# Altium PCB PCB3.PcbDoc (part 2 of 9)
Units mm, origin at the board's own origin, x right, y up, seen from the top; angles counter-clockwise.
Board outline 233.8 x 110.5 mm, 4 copper layers (Top Layer, Layer 1, Layer 2, Bottom Layer), stack 0.603 mm thick; 1414 components, 1732 nets, 4924 pads, 691 vias.
Unrouted connection lines stored in the file: 2464.
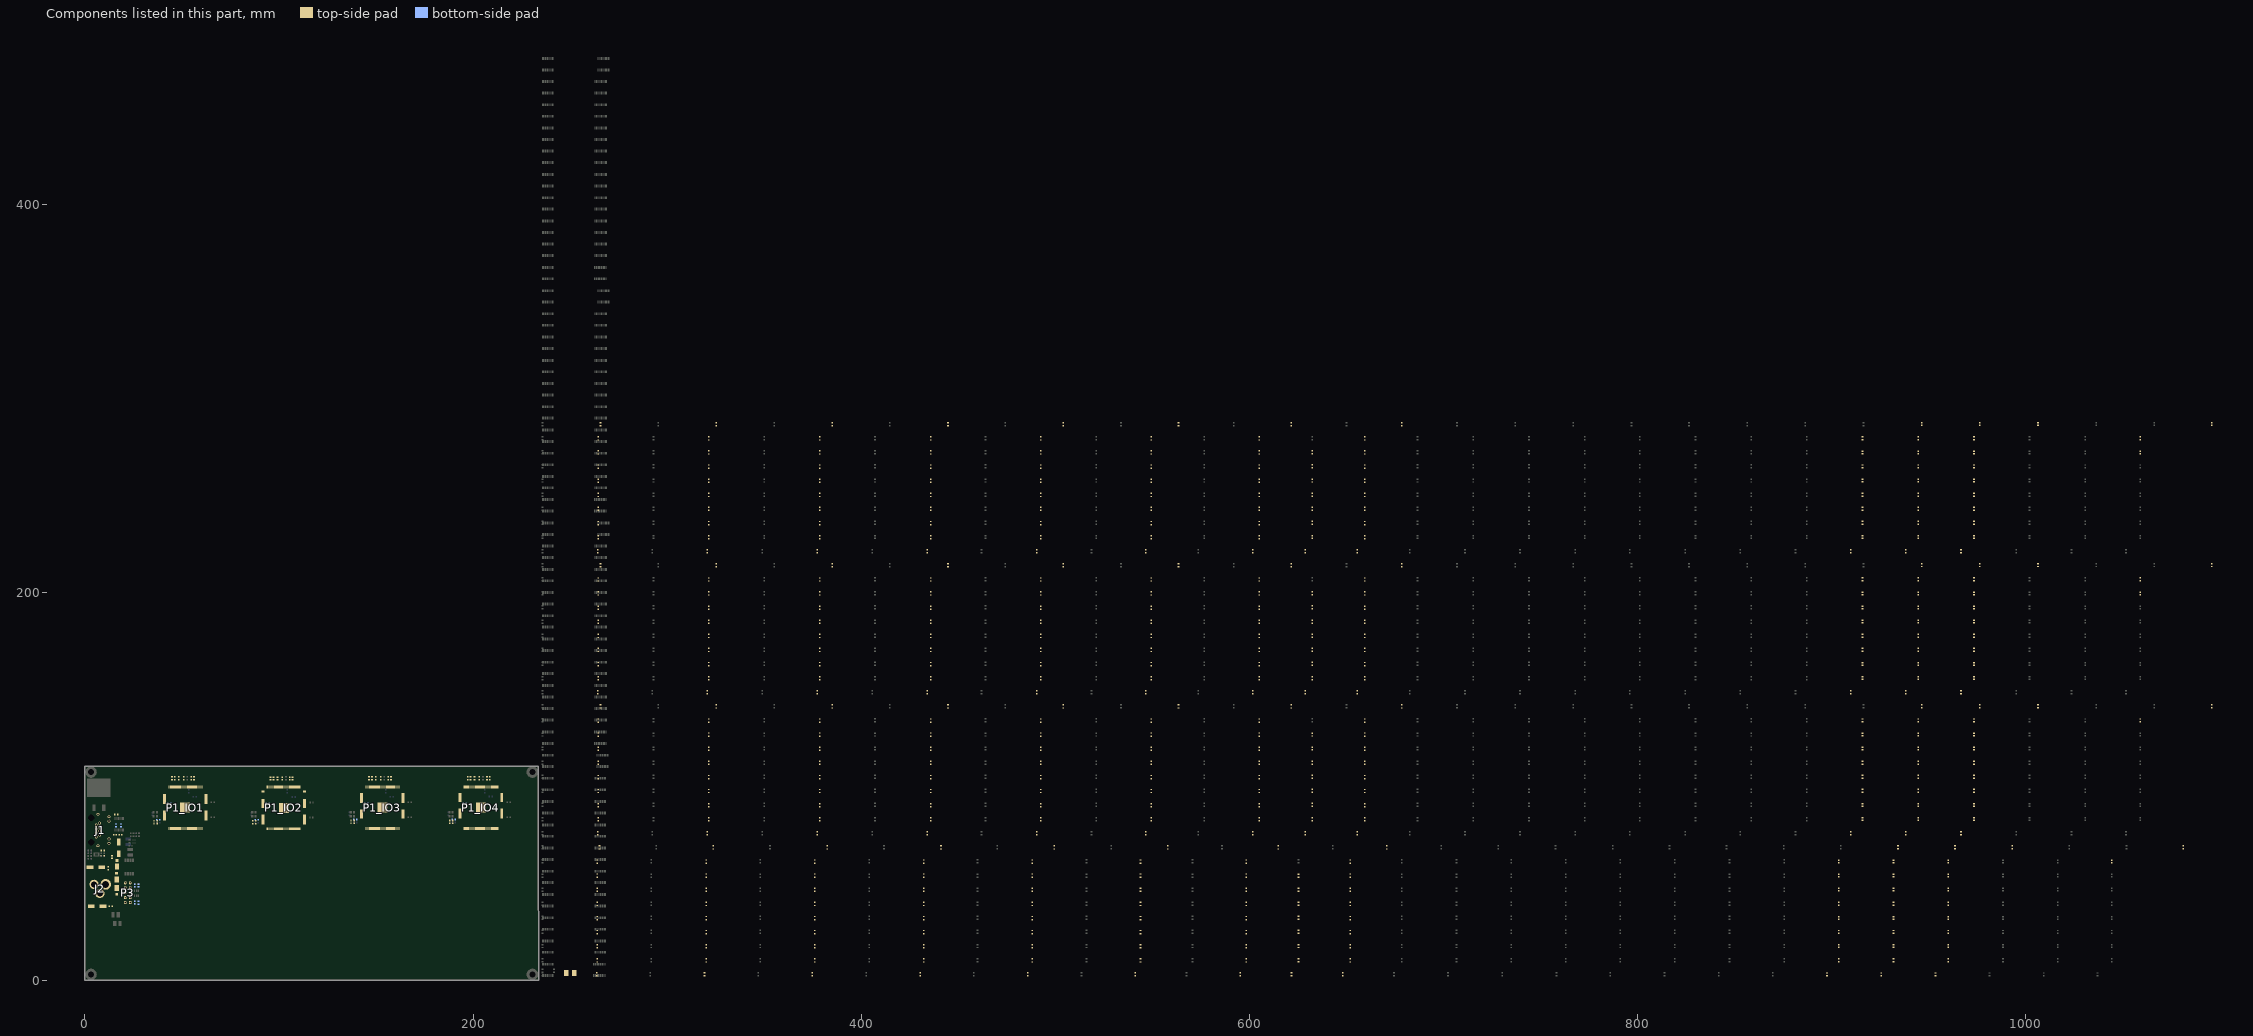
[diagram p4: the components of this part, seen from the top]

## Components (designator, comment, footprint, x,y, rotation, side; value= is the part's Value field where it differs from the comment) (continued)
C32_U_LED_BUFFER83 "0.1uF/16V" 0603C 1059.298,199.449 r90 top (schematic designator C32)
C32_U_LED_BUFFER84 "0.1uF/16V" 0603C 1059.298,272.149 r90 top (schematic designator C32)
C32_U_LED_BUFFER91 "0.1uF/16V" 0603C 1044.598,61.35 r90 top (schematic designator C32)
C32_U_LED_BUFFER92 "0.1uF/16V" 0603C 1059.298,134.049 r90 top (schematic designator C32)
C32_U_LED_BUFFER93 "0.1uF/16V" 0603C 1059.298,206.749 r90 top (schematic designator C32)
C32_U_LED_BUFFER94 "0.1uF/16V" 0603C 1059.298,279.449 r90 top (schematic designator C32)
C32_U_LED_BUFFER101 "0.1uF/16V" 0603C 1081.398,68.65 r90 top (schematic designator C32)
C32_U_LED_BUFFER102 "0.1uF/16V" 0603C 1096.098,141.349 r90 top (schematic designator C32)
C32_U_LED_BUFFER103 "0.1uF/16V" 0603C 1096.098,214.049 r90 top (schematic designator C32)
C32_U_LED_BUFFER104 "0.1uF/16V" 0603C 1096.098,286.749 r90 top (schematic designator C32)
C33_U_LED_BUFFER11 "1uF/16V" 0603C 925.698,3.15 r90 top (schematic designator C33)
C33_U_LED_BUFFER12 "1uF/16V" 0603C 938.398,75.85 r90 top (schematic designator C33)
C33_U_LED_BUFFER13 "1uF/16V" 0603C 938.398,148.549 r90 top (schematic designator C33)
C33_U_LED_BUFFER14 "1uF/16V" 0603C 938.398,221.249 r90 top (schematic designator C33)
C33_U_LED_BUFFER21 "1uF/16V" 0603C 932.098,10.45 r90 top (schematic designator C33)
C33_U_LED_BUFFER22 "1uF/16V" 0603C 944.798,83.15 r90 top (schematic designator C33)
C33_U_LED_BUFFER23 "1uF/16V" 0603C 944.798,155.849 r90 top (schematic designator C33)
C33_U_LED_BUFFER24 "1uF/16V" 0603C 944.798,228.549 r90 top (schematic designator C33)
C33_U_LED_BUFFER31 "1uF/16V" 0603C 932.098,17.75 r90 top (schematic designator C33)
C33_U_LED_BUFFER32 "1uF/16V" 0603C 944.798,90.45 r90 top (schematic designator C33)
C33_U_LED_BUFFER33 "1uF/16V" 0603C 944.798,163.149 r90 top (schematic designator C33)
C33_U_LED_BUFFER34 "1uF/16V" 0603C 944.798,235.849 r90 top (schematic designator C33)
C33_U_LED_BUFFER41 "1uF/16V" 0603C 932.098,25.05 r90 top (schematic designator C33)
C33_U_LED_BUFFER42 "1uF/16V" 0603C 944.798,97.75 r90 top (schematic designator C33)
C33_U_LED_BUFFER43 "1uF/16V" 0603C 944.798,170.449 r90 top (schematic designator C33)
C33_U_LED_BUFFER44 "1uF/16V" 0603C 944.798,243.149 r90 top (schematic designator C33)
C33_U_LED_BUFFER51 "1uF/16V" 0603C 932.098,32.25 r90 top (schematic designator C33)
C33_U_LED_BUFFER52 "1uF/16V" 0603C 944.798,104.95 r90 top (schematic designator C33)
C33_U_LED_BUFFER53 "1uF/16V" 0603C 944.798,177.649 r90 top (schematic designator C33)
C33_U_LED_BUFFER54 "1uF/16V" 0603C 944.798,250.349 r90 top (schematic designator C33)
C33_U_LED_BUFFER61 "1uF/16V" 0603C 932.098,39.55 r90 top (schematic designator C33)
C33_U_LED_BUFFER62 "1uF/16V" 0603C 944.798,112.25 r90 top (schematic designator C33)
C33_U_LED_BUFFER63 "1uF/16V" 0603C 944.798,184.949 r90 top (schematic designator C33)
C33_U_LED_BUFFER64 "1uF/16V" 0603C 944.798,257.649 r90 top (schematic designator C33)
C33_U_LED_BUFFER71 "1uF/16V" 0603C 932.098,46.85 r90 top (schematic designator C33)
C33_U_LED_BUFFER72 "1uF/16V" 0603C 944.798,119.549 r90 top (schematic designator C33)
C33_U_LED_BUFFER73 "1uF/16V" 0603C 944.798,192.249 r90 top (schematic designator C33)
C33_U_LED_BUFFER74 "1uF/16V" 0603C 944.798,264.949 r90 top (schematic designator C33)
C33_U_LED_BUFFER81 "1uF/16V" 0603C 932.098,54.05 r90 top (schematic designator C33)
C33_U_LED_BUFFER82 "1uF/16V" 0603C 944.798,126.749 r90 top (schematic designator C33)
C33_U_LED_BUFFER83 "1uF/16V" 0603C 944.798,199.449 r90 top (schematic designator C33)
C33_U_LED_BUFFER84 "1uF/16V" 0603C 944.798,272.149 r90 top (schematic designator C33)
C33_U_LED_BUFFER91 "1uF/16V" 0603C 932.098,61.35 r90 top (schematic designator C33)
C33_U_LED_BUFFER92 "1uF/16V" 0603C 944.798,134.049 r90 top (schematic designator C33)
C33_U_LED_BUFFER93 "1uF/16V" 0603C 944.798,206.749 r90 top (schematic designator C33)
C33_U_LED_BUFFER94 "1uF/16V" 0603C 944.798,279.449 r90 top (schematic designator C33)
C33_U_LED_BUFFER101 "1uF/16V" 0603C 963.798,68.65 r90 top (schematic designator C33)
C33_U_LED_BUFFER102 "1uF/16V" 0603C 976.498,141.349 r90 top (schematic designator C33)
C33_U_LED_BUFFER103 "1uF/16V" 0603C 976.498,214.049 r90 top (schematic designator C33)
C33_U_LED_BUFFER104 "1uF/16V" 0603C 976.498,286.749 r90 top (schematic designator C33)
C34_U_LED_BUFFER11 "1uF/16V" 0603C 953.698,3.15 r90 top (schematic designator C34)
C34_U_LED_BUFFER12 "1uF/16V" 0603C 966.898,75.85 r90 top (schematic designator C34)
C34_U_LED_BUFFER13 "1uF/16V" 0603C 966.898,148.549 r90 top (schematic designator C34)
C34_U_LED_BUFFER14 "1uF/16V" 0603C 966.898,221.249 r90 top (schematic designator C34)
C34_U_LED_BUFFER21 "1uF/16V" 0603C 960.298,10.45 r90 top (schematic designator C34)
C34_U_LED_BUFFER22 "1uF/16V" 0603C 973.498,83.15 r90 top (schematic designator C34)
C34_U_LED_BUFFER23 "1uF/16V" 0603C 973.498,155.849 r90 top (schematic designator C34)
C34_U_LED_BUFFER24 "1uF/16V" 0603C 973.498,228.549 r90 top (schematic designator C34)
C34_U_LED_BUFFER31 "1uF/16V" 0603C 960.298,17.75 r90 top (schematic designator C34)
C34_U_LED_BUFFER32 "1uF/16V" 0603C 973.498,90.45 r90 top (schematic designator C34)
C34_U_LED_BUFFER33 "1uF/16V" 0603C 973.498,163.149 r90 top (schematic designator C34)
C34_U_LED_BUFFER34 "1uF/16V" 0603C 973.498,235.849 r90 top (schematic designator C34)
C34_U_LED_BUFFER41 "1uF/16V" 0603C 960.298,25.05 r90 top (schematic designator C34)
C34_U_LED_BUFFER42 "1uF/16V" 0603C 973.498,97.75 r90 top (schematic designator C34)
C34_U_LED_BUFFER43 "1uF/16V" 0603C 973.498,170.449 r90 top (schematic designator C34)
C34_U_LED_BUFFER44 "1uF/16V" 0603C 973.498,243.149 r90 top (schematic designator C34)
C34_U_LED_BUFFER51 "1uF/16V" 0603C 960.298,32.25 r90 top (schematic designator C34)
C34_U_LED_BUFFER52 "1uF/16V" 0603C 973.498,104.95 r90 top (schematic designator C34)
C34_U_LED_BUFFER53 "1uF/16V" 0603C 973.498,177.649 r90 top (schematic designator C34)
C34_U_LED_BUFFER54 "1uF/16V" 0603C 973.498,250.349 r90 top (schematic designator C34)
C34_U_LED_BUFFER61 "1uF/16V" 0603C 960.298,39.55 r90 top (schematic designator C34)
C34_U_LED_BUFFER62 "1uF/16V" 0603C 973.498,112.25 r90 top (schematic designator C34)
C34_U_LED_BUFFER63 "1uF/16V" 0603C 973.498,184.949 r90 top (schematic designator C34)
C34_U_LED_BUFFER64 "1uF/16V" 0603C 973.498,257.649 r90 top (schematic designator C34)
C34_U_LED_BUFFER71 "1uF/16V" 0603C 960.298,46.85 r90 top (schematic designator C34)
C34_U_LED_BUFFER72 "1uF/16V" 0603C 973.498,119.549 r90 top (schematic designator C34)
C34_U_LED_BUFFER73 "1uF/16V" 0603C 973.498,192.249 r90 top (schematic designator C34)
C34_U_LED_BUFFER74 "1uF/16V" 0603C 973.498,264.949 r90 top (schematic designator C34)
C34_U_LED_BUFFER81 "1uF/16V" 0603C 960.298,54.05 r90 top (schematic designator C34)
C34_U_LED_BUFFER82 "1uF/16V" 0603C 973.498,126.749 r90 top (schematic designator C34)
C34_U_LED_BUFFER83 "1uF/16V" 0603C 973.498,199.449 r90 top (schematic designator C34)
C34_U_LED_BUFFER84 "1uF/16V" 0603C 973.498,272.149 r90 top (schematic designator C34)
C34_U_LED_BUFFER91 "1uF/16V" 0603C 960.298,61.35 r90 top (schematic designator C34)
C34_U_LED_BUFFER92 "1uF/16V" 0603C 973.498,134.049 r90 top (schematic designator C34)
C34_U_LED_BUFFER93 "1uF/16V" 0603C 973.498,206.749 r90 top (schematic designator C34)
C34_U_LED_BUFFER94 "1uF/16V" 0603C 973.498,279.449 r90 top (schematic designator C34)
C34_U_LED_BUFFER101 "1uF/16V" 0603C 993.298,68.65 r90 top (schematic designator C34)
C34_U_LED_BUFFER102 "1uF/16V" 0603C 1006.498,141.349 r90 top (schematic designator C34)
C34_U_LED_BUFFER103 "1uF/16V" 0603C 1006.498,214.049 r90 top (schematic designator C34)
C34_U_LED_BUFFER104 "1uF/16V" 0603C 1006.498,286.749 r90 top (schematic designator C34)
C35_U_LED_BUFFER11 "1uF/16V" 0603C 897.798,3.15 r90 top (schematic designator C35)
C35_U_LED_BUFFER12 "1uF/16V" 0603C 909.998,75.85 r90 top (schematic designator C35)
C35_U_LED_BUFFER13 "1uF/16V" 0603C 909.998,148.549 r90 top (schematic designator C35)
C35_U_LED_BUFFER14 "1uF/16V" 0603C 909.998,221.249 r90 top (schematic designator C35)
C35_U_LED_BUFFER21 "1uF/16V" 0603C 903.898,10.45 r90 top (schematic designator C35)
C35_U_LED_BUFFER22 "1uF/16V" 0603C 916.098,83.15 r90 top (schematic designator C35)
C35_U_LED_BUFFER23 "1uF/16V" 0603C 916.098,155.849 r90 top (schematic designator C35)
C35_U_LED_BUFFER24 "1uF/16V" 0603C 916.098,228.549 r90 top (schematic designator C35)
C35_U_LED_BUFFER31 "1uF/16V" 0603C 903.898,17.75 r90 top (schematic designator C35)
C35_U_LED_BUFFER32 "1uF/16V" 0603C 916.098,90.45 r90 top (schematic designator C35)
C35_U_LED_BUFFER33 "1uF/16V" 0603C 916.098,163.149 r90 top (schematic designator C35)
C35_U_LED_BUFFER34 "1uF/16V" 0603C 916.098,235.849 r90 top (schematic designator C35)
C35_U_LED_BUFFER41 "1uF/16V" 0603C 903.898,25.05 r90 top (schematic designator C35)
C35_U_LED_BUFFER42 "1uF/16V" 0603C 916.098,97.75 r90 top (schematic designator C35)
C35_U_LED_BUFFER43 "1uF/16V" 0603C 916.098,170.449 r90 top (schematic designator C35)
C35_U_LED_BUFFER44 "1uF/16V" 0603C 916.098,243.149 r90 top (schematic designator C35)
C35_U_LED_BUFFER51 "1uF/16V" 0603C 903.898,32.25 r90 top (schematic designator C35)
C35_U_LED_BUFFER52 "1uF/16V" 0603C 916.098,104.95 r90 top (schematic designator C35)
C35_U_LED_BUFFER53 "1uF/16V" 0603C 916.098,177.649 r90 top (schematic designator C35)
C35_U_LED_BUFFER54 "1uF/16V" 0603C 916.098,250.349 r90 top (schematic designator C35)
C35_U_LED_BUFFER61 "1uF/16V" 0603C 903.898,39.55 r90 top (schematic designator C35)
C35_U_LED_BUFFER62 "1uF/16V" 0603C 916.098,112.25 r90 top (schematic designator C35)
C35_U_LED_BUFFER63 "1uF/16V" 0603C 916.098,184.949 r90 top (schematic designator C35)
C35_U_LED_BUFFER64 "1uF/16V" 0603C 916.098,257.649 r90 top (schematic designator C35)
C35_U_LED_BUFFER71 "1uF/16V" 0603C 903.898,46.85 r90 top (schematic designator C35)
C35_U_LED_BUFFER72 "1uF/16V" 0603C 916.098,119.549 r90 top (schematic designator C35)
C35_U_LED_BUFFER73 "1uF/16V" 0603C 916.098,192.249 r90 top (schematic designator C35)
C35_U_LED_BUFFER74 "1uF/16V" 0603C 916.098,264.949 r90 top (schematic designator C35)
C35_U_LED_BUFFER81 "1uF/16V" 0603C 903.898,54.05 r90 top (schematic designator C35)
C35_U_LED_BUFFER82 "1uF/16V" 0603C 916.098,126.749 r90 top (schematic designator C35)
C35_U_LED_BUFFER83 "1uF/16V" 0603C 916.098,199.449 r90 top (schematic designator C35)
C35_U_LED_BUFFER84 "1uF/16V" 0603C 916.098,272.149 r90 top (schematic designator C35)
C35_U_LED_BUFFER91 "1uF/16V" 0603C 903.898,61.35 r90 top (schematic designator C35)
C35_U_LED_BUFFER92 "1uF/16V" 0603C 916.098,134.049 r90 top (schematic designator C35)
C35_U_LED_BUFFER93 "1uF/16V" 0603C 916.098,206.749 r90 top (schematic designator C35)
C35_U_LED_BUFFER94 "1uF/16V" 0603C 916.098,279.449 r90 top (schematic designator C35)
C35_U_LED_BUFFER101 "1uF/16V" 0603C 934.398,68.65 r90 top (schematic designator C35)
C35_U_LED_BUFFER102 "1uF/16V" 0603C 946.598,141.349 r90 top (schematic designator C35)
C35_U_LED_BUFFER103 "1uF/16V" 0603C 946.598,214.049 r90 top (schematic designator C35)
C35_U_LED_BUFFER104 "1uF/16V" 0603C 946.598,286.749 r90 top (schematic designator C35)
C36 "10pF/50V" 0603C 27.611,48.985 r270 bottom
C37 "10pF/50V" 0603C 27.637,40.098 r90 bottom
C38 "10pF/50V" 0603C 25.615,48.931 r270 bottom
C39 "10pF/50V" 0603C 25.612,40.16 r90 bottom
C40 "0.1uF/50V" 0603C 15.556,75.104 r180 top
C41 "0.1uF/50V" 0603C 16.034,79.94 r270 bottom
C42 "0.1uF/50V" 0603C 16.092,85.487 r180 top
C43 "0.1uF/50V" 0603C 18.276,75.058 r180 top
C44 "0.1uF/50V" 0603C 18.635,79.94 r270 bottom
C73 "10uF/63V" EEE-FN1J100L 6.324,38.355 r180 top
C74 "2.2uF/50V" 0603C 13.297,38.243 r180 top
C75 "2.2uF/50V" 0603C 12.016,57.832 r90 top
C76 "10uF/63V" EEE-FN1J100L 5.59,58.467 r180 top
C77 "2.2uF/50V" 0603C 9.185,66.978 r180 top
C78 "2.2uF/50V" 0603C 13.999,63.631 r270 top
C79 "10uF/63V" EEE-FN1J100L 17.461,68.353 r90 top
D1_IO1 "LEDR" LED_0603 36.392,82.414 r180 top value=RED (schematic designator D1)
D1_IO2 "LEDR" LED_0603 87.22,82.348 r180 top value=RED (schematic designator D1)
D1_IO3 "LEDR" LED_0603 137.941,82.436 r180 top value=RED (schematic designator D1)
D1_IO4 "LEDR" LED_0603 188.817,82.439 r180 top value=RED (schematic designator D1)
D2_IO1 "LEDR" LED_0603 36.392,80.908 r180 top value=RED (schematic designator D2)
D2_IO2 "LEDR" LED_0603 87.22,80.842 r180 top value=RED (schematic designator D2)
D2_IO3 "LEDR" LED_0603 137.941,80.929 r180 top value=RED (schematic designator D2)
D2_IO4 "LEDR" LED_0603 188.817,80.933 r180 top value=RED (schematic designator D2)
D3 "LEDR" LED_0603 9.118,64.205 r180 top value=RED
D4 "V8PAM10S-M3_H" V8PAM10SHM3H 16.494,59.734 r90 top
D5 "V8PAM10S-M3_H" V8PAM10SHM3H 16.377,53.135 r90 top
D6 "V8PAM10S-M3_H" V8PAM10SHM3H 16.39,46.541 r270 top
D7_U_LED_BUFFER11 "LEDG" LED_0603 648.198,3.15 r90 top value=GREEN (schematic designator D7)
D7_U_LED_BUFFER12 "LEDG" LED_0603 655.798,75.85 r90 top value=GREEN (schematic designator D7)
D7_U_LED_BUFFER13 "LEDG" LED_0603 655.798,148.549 r90 top value=GREEN (schematic designator D7)
D7_U_LED_BUFFER14 "LEDG" LED_0603 655.798,221.249 r90 top value=GREEN (schematic designator D7)
D7_U_LED_BUFFER21 "LEDG" LED_0603 651.998,10.35 r90 top value=GREEN (schematic designator D7)
D7_U_LED_BUFFER22 "LEDG" LED_0603 659.598,83.05 r90 top value=GREEN (schematic designator D7)
D7_U_LED_BUFFER23 "LEDG" LED_0603 659.598,155.749 r90 top value=GREEN (schematic designator D7)
D7_U_LED_BUFFER24 "LEDG" LED_0603 659.598,228.449 r90 top value=GREEN (schematic designator D7)
D7_U_LED_BUFFER31 "LEDG" LED_0603 651.998,17.65 r90 top value=GREEN (schematic designator D7)
D7_U_LED_BUFFER32 "LEDG" LED_0603 659.598,90.35 r90 top value=GREEN (schematic designator D7)
D7_U_LED_BUFFER33 "LEDG" LED_0603 659.598,163.049 r90 top value=GREEN (schematic designator D7)
D7_U_LED_BUFFER34 "LEDG" LED_0603 659.598,235.749 r90 top value=GREEN (schematic designator D7)
D7_U_LED_BUFFER41 "LEDG" LED_0603 651.998,24.95 r90 top value=GREEN (schematic designator D7)
D7_U_LED_BUFFER42 "LEDG" LED_0603 659.598,97.65 r90 top value=GREEN (schematic designator D7)
D7_U_LED_BUFFER43 "LEDG" LED_0603 659.598,170.349 r90 top value=GREEN (schematic designator D7)
D7_U_LED_BUFFER44 "LEDG" LED_0603 659.598,243.049 r90 top value=GREEN (schematic designator D7)
D7_U_LED_BUFFER51 "LEDG" LED_0603 651.998,32.15 r90 top value=GREEN (schematic designator D7)
D7_U_LED_BUFFER52 "LEDG" LED_0603 659.598,104.85 r90 top value=GREEN (schematic designator D7)
D7_U_LED_BUFFER53 "LEDG" LED_0603 659.598,177.549 r90 top value=GREEN (schematic designator D7)
D7_U_LED_BUFFER54 "LEDG" LED_0603 659.598,250.249 r90 top value=GREEN (schematic designator D7)
D7_U_LED_BUFFER61 "LEDG" LED_0603 651.998,39.45 r90 top value=GREEN (schematic designator D7)
D7_U_LED_BUFFER62 "LEDG" LED_0603 659.598,112.15 r90 top value=GREEN (schematic designator D7)
D7_U_LED_BUFFER63 "LEDG" LED_0603 659.598,184.849 r90 top value=GREEN (schematic designator D7)
D7_U_LED_BUFFER64 "LEDG" LED_0603 659.598,257.549 r90 top value=GREEN (schematic designator D7)
D7_U_LED_BUFFER71 "LEDG" LED_0603 651.998,46.75 r90 top value=GREEN (schematic designator D7)
D7_U_LED_BUFFER72 "LEDG" LED_0603 659.598,119.449 r90 top value=GREEN (schematic designator D7)
D7_U_LED_BUFFER73 "LEDG" LED_0603 659.598,192.149 r90 top value=GREEN (schematic designator D7)
D7_U_LED_BUFFER74 "LEDG" LED_0603 659.598,264.849 r90 top value=GREEN (schematic designator D7)
D7_U_LED_BUFFER81 "LEDG" LED_0603 651.998,54.05 r90 top value=GREEN (schematic designator D7)
D7_U_LED_BUFFER82 "LEDG" LED_0603 659.598,126.749 r90 top value=GREEN (schematic designator D7)
D7_U_LED_BUFFER83 "LEDG" LED_0603 659.598,199.449 r90 top value=GREEN (schematic designator D7)
D7_U_LED_BUFFER84 "LEDG" LED_0603 659.598,272.149 r90 top value=GREEN (schematic designator D7)
D7_U_LED_BUFFER91 "LEDG" LED_0603 651.998,61.25 r90 top value=GREEN (schematic designator D7)
D7_U_LED_BUFFER92 "LEDG" LED_0603 659.598,133.949 r90 top value=GREEN (schematic designator D7)
D7_U_LED_BUFFER93 "LEDG" LED_0603 659.598,206.649 r90 top value=GREEN (schematic designator D7)
D7_U_LED_BUFFER94 "LEDG" LED_0603 659.598,279.349 r90 top value=GREEN (schematic designator D7)
D7_U_LED_BUFFER101 "LEDG" LED_0603 670.998,68.55 r90 top value=GREEN (schematic designator D7)
D7_U_LED_BUFFER102 "LEDG" LED_0603 678.598,141.249 r90 top value=GREEN (schematic designator D7)
D7_U_LED_BUFFER103 "LEDG" LED_0603 678.598,213.949 r90 top value=GREEN (schematic designator D7)
D7_U_LED_BUFFER104 "LEDG" LED_0603 678.598,286.649 r90 top value=GREEN (schematic designator D7)
D8_U_LED_BUFFER11 "LEDG" LED_0603 595.299,3.15 r90 top value=GREEN (schematic designator D8)
D8_U_LED_BUFFER12 "LEDG" LED_0603 601.899,75.85 r90 top value=GREEN (schematic designator D8)
D8_U_LED_BUFFER13 "LEDG" LED_0603 601.899,148.549 r90 top value=GREEN (schematic designator D8)
D8_U_LED_BUFFER14 "LEDG" LED_0603 601.899,221.249 r90 top value=GREEN (schematic designator D8)
D8_U_LED_BUFFER21 "LEDG" LED_0603 598.599,10.35 r90 top value=GREEN (schematic designator D8)
D8_U_LED_BUFFER22 "LEDG" LED_0603 605.199,83.05 r90 top value=GREEN (schematic designator D8)
D8_U_LED_BUFFER23 "LEDG" LED_0603 605.199,155.749 r90 top value=GREEN (schematic designator D8)
D8_U_LED_BUFFER24 "LEDG" LED_0603 605.199,228.449 r90 top value=GREEN (schematic designator D8)
D8_U_LED_BUFFER31 "LEDG" LED_0603 598.599,17.65 r90 top value=GREEN (schematic designator D8)
D8_U_LED_BUFFER32 "LEDG" LED_0603 605.199,90.35 r90 top value=GREEN (schematic designator D8)
D8_U_LED_BUFFER33 "LEDG" LED_0603 605.199,163.049 r90 top value=GREEN (schematic designator D8)
D8_U_LED_BUFFER34 "LEDG" LED_0603 605.199,235.749 r90 top value=GREEN (schematic designator D8)
D8_U_LED_BUFFER41 "LEDG" LED_0603 598.599,24.95 r90 top value=GREEN (schematic designator D8)
D8_U_LED_BUFFER42 "LEDG" LED_0603 605.199,97.65 r90 top value=GREEN (schematic designator D8)
D8_U_LED_BUFFER43 "LEDG" LED_0603 605.199,170.349 r90 top value=GREEN (schematic designator D8)
D8_U_LED_BUFFER44 "LEDG" LED_0603 605.199,243.049 r90 top value=GREEN (schematic designator D8)
D8_U_LED_BUFFER51 "LEDG" LED_0603 598.599,32.15 r90 top value=GREEN (schematic designator D8)
D8_U_LED_BUFFER52 "LEDG" LED_0603 605.199,104.85 r90 top value=GREEN (schematic designator D8)
D8_U_LED_BUFFER53 "LEDG" LED_0603 605.199,177.549 r90 top value=GREEN (schematic designator D8)
D8_U_LED_BUFFER54 "LEDG" LED_0603 605.199,250.249 r90 top value=GREEN (schematic designator D8)
D8_U_LED_BUFFER61 "LEDG" LED_0603 598.599,39.45 r90 top value=GREEN (schematic designator D8)
D8_U_LED_BUFFER62 "LEDG" LED_0603 605.199,112.15 r90 top value=GREEN (schematic designator D8)
D8_U_LED_BUFFER63 "LEDG" LED_0603 605.199,184.849 r90 top value=GREEN (schematic designator D8)
D8_U_LED_BUFFER64 "LEDG" LED_0603 605.199,257.549 r90 top value=GREEN (schematic designator D8)
D8_U_LED_BUFFER71 "LEDG" LED_0603 598.599,46.75 r90 top value=GREEN (schematic designator D8)
D8_U_LED_BUFFER72 "LEDG" LED_0603 605.199,119.449 r90 top value=GREEN (schematic designator D8)
D8_U_LED_BUFFER73 "LEDG" LED_0603 605.199,192.149 r90 top value=GREEN (schematic designator D8)
D8_U_LED_BUFFER74 "LEDG" LED_0603 605.199,264.849 r90 top value=GREEN (schematic designator D8)
D8_U_LED_BUFFER81 "LEDG" LED_0603 598.599,54.05 r90 top value=GREEN (schematic designator D8)
D8_U_LED_BUFFER82 "LEDG" LED_0603 605.199,126.749 r90 top value=GREEN (schematic designator D8)
D8_U_LED_BUFFER83 "LEDG" LED_0603 605.199,199.449 r90 top value=GREEN (schematic designator D8)
D8_U_LED_BUFFER84 "LEDG" LED_0603 605.199,272.149 r90 top value=GREEN (schematic designator D8)
D8_U_LED_BUFFER91 "LEDG" LED_0603 598.599,61.25 r90 top value=GREEN (schematic designator D8)
D8_U_LED_BUFFER92 "LEDG" LED_0603 605.199,133.949 r90 top value=GREEN (schematic designator D8)
D8_U_LED_BUFFER93 "LEDG" LED_0603 605.199,206.649 r90 top value=GREEN (schematic designator D8)
D8_U_LED_BUFFER94 "LEDG" LED_0603 605.199,279.349 r90 top value=GREEN (schematic designator D8)
D8_U_LED_BUFFER101 "LEDG" LED_0603 615.099,68.55 r90 top value=GREEN (schematic designator D8)
D8_U_LED_BUFFER102 "LEDG" LED_0603 621.698,141.249 r90 top value=GREEN (schematic designator D8)
D8_U_LED_BUFFER103 "LEDG" LED_0603 621.698,213.949 r90 top value=GREEN (schematic designator D8)
D8_U_LED_BUFFER104 "LEDG" LED_0603 621.698,286.649 r90 top value=GREEN (schematic designator D8)
D9_U_LED_BUFFER11 "LEDG" LED_0603 541.299,3.15 r90 top value=GREEN (schematic designator D9)
D9_U_LED_BUFFER12 "LEDG" LED_0603 546.799,75.85 r90 top value=GREEN (schematic designator D9)
D9_U_LED_BUFFER13 "LEDG" LED_0603 546.799,148.549 r90 top value=GREEN (schematic designator D9)
D9_U_LED_BUFFER14 "LEDG" LED_0603 546.799,221.249 r90 top value=GREEN (schematic designator D9)
D9_U_LED_BUFFER21 "LEDG" LED_0603 543.999,10.35 r90 top value=GREEN (schematic designator D9)
D9_U_LED_BUFFER22 "LEDG" LED_0603 549.599,83.05 r90 top value=GREEN (schematic designator D9)
D9_U_LED_BUFFER23 "LEDG" LED_0603 549.599,155.749 r90 top value=GREEN (schematic designator D9)
D9_U_LED_BUFFER24 "LEDG" LED_0603 549.599,228.449 r90 top value=GREEN (schematic designator D9)
D9_U_LED_BUFFER31 "LEDG" LED_0603 543.999,17.65 r90 top value=GREEN (schematic designator D9)
D9_U_LED_BUFFER32 "LEDG" LED_0603 549.599,90.35 r90 top value=GREEN (schematic designator D9)
D9_U_LED_BUFFER33 "LEDG" LED_0603 549.599,163.049 r90 top value=GREEN (schematic designator D9)
D9_U_LED_BUFFER34 "LEDG" LED_0603 549.599,235.749 r90 top value=GREEN (schematic designator D9)
D9_U_LED_BUFFER41 "LEDG" LED_0603 543.999,24.95 r90 top value=GREEN (schematic designator D9)
D9_U_LED_BUFFER42 "LEDG" LED_0603 549.599,97.65 r90 top value=GREEN (schematic designator D9)
D9_U_LED_BUFFER43 "LEDG" LED_0603 549.599,170.349 r90 top value=GREEN (schematic designator D9)
D9_U_LED_BUFFER44 "LEDG" LED_0603 549.599,243.049 r90 top value=GREEN (schematic designator D9)
D9_U_LED_BUFFER51 "LEDG" LED_0603 543.999,32.15 r90 top value=GREEN (schematic designator D9)
D9_U_LED_BUFFER52 "LEDG" LED_0603 549.599,104.85 r90 top value=GREEN (schematic designator D9)
D9_U_LED_BUFFER53 "LEDG" LED_0603 549.599,177.549 r90 top value=GREEN (schematic designator D9)
D9_U_LED_BUFFER54 "LEDG" LED_0603 549.599,250.249 r90 top value=GREEN (schematic designator D9)
D9_U_LED_BUFFER61 "LEDG" LED_0603 543.999,39.45 r90 top value=GREEN (schematic designator D9)
D9_U_LED_BUFFER62 "LEDG" LED_0603 549.599,112.15 r90 top value=GREEN (schematic designator D9)
D9_U_LED_BUFFER63 "LEDG" LED_0603 549.599,184.849 r90 top value=GREEN (schematic designator D9)
D9_U_LED_BUFFER64 "LEDG" LED_0603 549.599,257.549 r90 top value=GREEN (schematic designator D9)
D9_U_LED_BUFFER71 "LEDG" LED_0603 543.999,46.75 r90 top value=GREEN (schematic designator D9)
D9_U_LED_BUFFER72 "LEDG" LED_0603 549.599,119.449 r90 top value=GREEN (schematic designator D9)
D9_U_LED_BUFFER73 "LEDG" LED_0603 549.599,192.149 r90 top value=GREEN (schematic designator D9)
D9_U_LED_BUFFER74 "LEDG" LED_0603 549.599,264.849 r90 top value=GREEN (schematic designator D9)
D9_U_LED_BUFFER81 "LEDG" LED_0603 543.999,54.05 r90 top value=GREEN (schematic designator D9)
D9_U_LED_BUFFER82 "LEDG" LED_0603 549.599,126.749 r90 top value=GREEN (schematic designator D9)
D9_U_LED_BUFFER83 "LEDG" LED_0603 549.599,199.449 r90 top value=GREEN (schematic designator D9)
D9_U_LED_BUFFER84 "LEDG" LED_0603 549.599,272.149 r90 top value=GREEN (schematic designator D9)
D9_U_LED_BUFFER91 "LEDG" LED_0603 543.999,61.25 r90 top value=GREEN (schematic designator D9)
D9_U_LED_BUFFER92 "LEDG" LED_0603 549.599,133.949 r90 top value=GREEN (schematic designator D9)
D9_U_LED_BUFFER93 "LEDG" LED_0603 549.599,206.649 r90 top value=GREEN (schematic designator D9)
D9_U_LED_BUFFER94 "LEDG" LED_0603 549.599,279.349 r90 top value=GREEN (schematic designator D9)
D9_U_LED_BUFFER101 "LEDG" LED_0603 557.999,68.55 r90 top value=GREEN (schematic designator D9)
D9_U_LED_BUFFER102 "LEDG" LED_0603 563.599,141.249 r90 top value=GREEN (schematic designator D9)
D9_U_LED_BUFFER103 "LEDG" LED_0603 563.599,213.949 r90 top value=GREEN (schematic designator D9)
D9_U_LED_BUFFER104 "LEDG" LED_0603 563.599,286.649 r90 top value=GREEN (schematic designator D9)
D10_U_LED_BUFFER11 "LEDG" LED_0603 485.899,3.15 r90 top value=GREEN (schematic designator D10)
D10_U_LED_BUFFER12 "LEDG" LED_0603 490.499,75.85 r90 top value=GREEN (schematic designator D10)
D10_U_LED_BUFFER13 "LEDG" LED_0603 490.499,148.549 r90 top value=GREEN (schematic designator D10)
D10_U_LED_BUFFER14 "LEDG" LED_0603 490.499,221.249 r90 top value=GREEN (schematic designator D10)
D10_U_LED_BUFFER21 "LEDG" LED_0603 488.199,10.35 r90 top value=GREEN (schematic designator D10)
D10_U_LED_BUFFER22 "LEDG" LED_0603 492.699,83.05 r90 top value=GREEN (schematic designator D10)
D10_U_LED_BUFFER23 "LEDG" LED_0603 492.699,155.749 r90 top value=GREEN (schematic designator D10)
D10_U_LED_BUFFER24 "LEDG" LED_0603 492.699,228.449 r90 top value=GREEN (schematic designator D10)
D10_U_LED_BUFFER31 "LEDG" LED_0603 488.199,17.65 r90 top value=GREEN (schematic designator D10)
D10_U_LED_BUFFER32 "LEDG" LED_0603 492.699,90.35 r90 top value=GREEN (schematic designator D10)
D10_U_LED_BUFFER33 "LEDG" LED_0603 492.699,163.049 r90 top value=GREEN (schematic designator D10)
D10_U_LED_BUFFER34 "LEDG" LED_0603 492.699,235.749 r90 top value=GREEN (schematic designator D10)
D10_U_LED_BUFFER41 "LEDG" LED_0603 488.199,24.95 r90 top value=GREEN (schematic designator D10)
D10_U_LED_BUFFER42 "LEDG" LED_0603 492.699,97.65 r90 top value=GREEN (schematic designator D10)
D10_U_LED_BUFFER43 "LEDG" LED_0603 492.699,170.349 r90 top value=GREEN (schematic designator D10)
D10_U_LED_BUFFER44 "LEDG" LED_0603 492.699,243.049 r90 top value=GREEN (schematic designator D10)
D10_U_LED_BUFFER51 "LEDG" LED_0603 488.199,32.15 r90 top value=GREEN (schematic designator D10)
D10_U_LED_BUFFER52 "LEDG" LED_0603 492.699,104.85 r90 top value=GREEN (schematic designator D10)
D10_U_LED_BUFFER53 "LEDG" LED_0603 492.699,177.549 r90 top value=GREEN (schematic designator D10)
D10_U_LED_BUFFER54 "LEDG" LED_0603 492.699,250.249 r90 top value=GREEN (schematic designator D10)
D10_U_LED_BUFFER61 "LEDG" LED_0603 488.199,39.45 r90 top value=GREEN (schematic designator D10)
D10_U_LED_BUFFER62 "LEDG" LED_0603 492.699,112.15 r90 top value=GREEN (schematic designator D10)
D10_U_LED_BUFFER63 "LEDG" LED_0603 492.699,184.849 r90 top value=GREEN (schematic designator D10)
D10_U_LED_BUFFER64 "LEDG" LED_0603 492.699,257.549 r90 top value=GREEN (schematic designator D10)
D10_U_LED_BUFFER71 "LEDG" LED_0603 488.199,46.75 r90 top value=GREEN (schematic designator D10)
D10_U_LED_BUFFER72 "LEDG" LED_0603 492.699,119.449 r90 top value=GREEN (schematic designator D10)
D10_U_LED_BUFFER73 "LEDG" LED_0603 492.699,192.149 r90 top value=GREEN (schematic designator D10)
D10_U_LED_BUFFER74 "LEDG" LED_0603 492.699,264.849 r90 top value=GREEN (schematic designator D10)
D10_U_LED_BUFFER81 "LEDG" LED_0603 488.199,54.05 r90 top value=GREEN (schematic designator D10)
D10_U_LED_BUFFER82 "LEDG" LED_0603 492.699,126.749 r90 top value=GREEN (schematic designator D10)
D10_U_LED_BUFFER83 "LEDG" LED_0603 492.699,199.449 r90 top value=GREEN (schematic designator D10)
D10_U_LED_BUFFER84 "LEDG" LED_0603 492.699,272.149 r90 top value=GREEN (schematic designator D10)
D10_U_LED_BUFFER91 "LEDG" LED_0603 488.199,61.25 r90 top value=GREEN (schematic designator D10)
D10_U_LED_BUFFER92 "LEDG" LED_0603 492.699,133.949 r90 top value=GREEN (schematic designator D10)
D10_U_LED_BUFFER93 "LEDG" LED_0603 492.699,206.649 r90 top value=GREEN (schematic designator D10)
D10_U_LED_BUFFER94 "LEDG" LED_0603 492.699,279.349 r90 top value=GREEN (schematic designator D10)
D10_U_LED_BUFFER101 "LEDG" LED_0603 499.599,68.55 r90 top value=GREEN (schematic designator D10)
D10_U_LED_BUFFER102 "LEDG" LED_0603 504.199,141.249 r90 top value=GREEN (schematic designator D10)
D10_U_LED_BUFFER103 "LEDG" LED_0603 504.199,213.949 r90 top value=GREEN (schematic designator D10)
D10_U_LED_BUFFER104 "LEDG" LED_0603 504.199,286.649 r90 top value=GREEN (schematic designator D10)
D11_U_LED_BUFFER11 "LEDG" LED_0603 430.499,3.15 r90 top value=GREEN (schematic designator D11)
D11_U_LED_BUFFER12 "LEDG" LED_0603 434.099,75.85 r90 top value=GREEN (schematic designator D11)
D11_U_LED_BUFFER13 "LEDG" LED_0603 434.099,148.549 r90 top value=GREEN (schematic designator D11)
D11_U_LED_BUFFER14 "LEDG" LED_0603 434.099,221.249 r90 top value=GREEN (schematic designator D11)
D11_U_LED_BUFFER21 "LEDG" LED_0603 432.299,10.35 r90 top value=GREEN (schematic designator D11)
D11_U_LED_BUFFER22 "LEDG" LED_0603 435.899,83.05 r90 top value=GREEN (schematic designator D11)
D11_U_LED_BUFFER23 "LEDG" LED_0603 435.899,155.749 r90 top value=GREEN (schematic designator D11)
D11_U_LED_BUFFER24 "LEDG" LED_0603 435.899,228.449 r90 top value=GREEN (schematic designator D11)
D11_U_LED_BUFFER31 "LEDG" LED_0603 432.299,17.65 r90 top value=GREEN (schematic designator D11)
D11_U_LED_BUFFER32 "LEDG" LED_0603 435.899,90.35 r90 top value=GREEN (schematic designator D11)
D11_U_LED_BUFFER33 "LEDG" LED_0603 435.899,163.049 r90 top value=GREEN (schematic designator D11)
D11_U_LED_BUFFER34 "LEDG" LED_0603 435.899,235.749 r90 top value=GREEN (schematic designator D11)
D11_U_LED_BUFFER41 "LEDG" LED_0603 432.299,24.95 r90 top value=GREEN (schematic designator D11)
D11_U_LED_BUFFER42 "LEDG" LED_0603 435.899,97.65 r90 top value=GREEN (schematic designator D11)
D11_U_LED_BUFFER43 "LEDG" LED_0603 435.899,170.349 r90 top value=GREEN (schematic designator D11)
D11_U_LED_BUFFER44 "LEDG" LED_0603 435.899,243.049 r90 top value=GREEN (schematic designator D11)
D11_U_LED_BUFFER51 "LEDG" LED_0603 432.299,32.15 r90 top value=GREEN (schematic designator D11)
D11_U_LED_BUFFER52 "LEDG" LED_0603 435.899,104.85 r90 top value=GREEN (schematic designator D11)
D11_U_LED_BUFFER53 "LEDG" LED_0603 435.899,177.549 r90 top value=GREEN (schematic designator D11)
D11_U_LED_BUFFER54 "LEDG" LED_0603 435.899,250.249 r90 top value=GREEN (schematic designator D11)
D11_U_LED_BUFFER61 "LEDG" LED_0603 432.299,39.45 r90 top value=GREEN (schematic designator D11)
D11_U_LED_BUFFER62 "LEDG" LED_0603 435.899,112.15 r90 top value=GREEN (schematic designator D11)
D11_U_LED_BUFFER63 "LEDG" LED_0603 435.899,184.849 r90 top value=GREEN (schematic designator D11)
D11_U_LED_BUFFER64 "LEDG" LED_0603 435.899,257.549 r90 top value=GREEN (schematic designator D11)
D11_U_LED_BUFFER71 "LEDG" LED_0603 432.299,46.75 r90 top value=GREEN (schematic designator D11)
D11_U_LED_BUFFER72 "LEDG" LED_0603 435.899,119.449 r90 top value=GREEN (schematic designator D11)
D11_U_LED_BUFFER73 "LEDG" LED_0603 435.899,192.149 r90 top value=GREEN (schematic designator D11)
D11_U_LED_BUFFER74 "LEDG" LED_0603 435.899,264.849 r90 top value=GREEN (schematic designator D11)
D11_U_LED_BUFFER81 "LEDG" LED_0603 432.299,54.05 r90 top value=GREEN (schematic designator D11)
D11_U_LED_BUFFER82 "LEDG" LED_0603 435.899,126.749 r90 top value=GREEN (schematic designator D11)
D11_U_LED_BUFFER83 "LEDG" LED_0603 435.899,199.449 r90 top value=GREEN (schematic designator D11)
D11_U_LED_BUFFER84 "LEDG" LED_0603 435.899,272.149 r90 top value=GREEN (schematic designator D11)
D11_U_LED_BUFFER91 "LEDG" LED_0603 432.299,61.25 r90 top value=GREEN (schematic designator D11)
D11_U_LED_BUFFER92 "LEDG" LED_0603 435.899,133.949 r90 top value=GREEN (schematic designator D11)
D11_U_LED_BUFFER93 "LEDG" LED_0603 435.899,206.649 r90 top value=GREEN (schematic designator D11)
D11_U_LED_BUFFER94 "LEDG" LED_0603 435.899,279.349 r90 top value=GREEN (schematic designator D11)
D11_U_LED_BUFFER101 "LEDG" LED_0603 441.199,68.55 r90 top value=GREEN (schematic designator D11)
D11_U_LED_BUFFER102 "LEDG" LED_0603 444.799,141.249 r90 top value=GREEN (schematic designator D11)
D11_U_LED_BUFFER103 "LEDG" LED_0603 444.799,213.949 r90 top value=GREEN (schematic designator D11)
D11_U_LED_BUFFER104 "LEDG" LED_0603 444.799,286.649 r90 top value=GREEN (schematic designator D11)
D12_U_LED_BUFFER11 "LEDG" LED_0603 374.899,3.15 r90 top value=GREEN (schematic designator D12)
D12_U_LED_BUFFER12 "LEDG" LED_0603 377.499,75.85 r90 top value=GREEN (schematic designator D12)
D12_U_LED_BUFFER13 "LEDG" LED_0603 377.499,148.549 r90 top value=GREEN (schematic designator D12)
D12_U_LED_BUFFER14 "LEDG" LED_0603 377.499,221.249 r90 top value=GREEN (schematic designator D12)
D12_U_LED_BUFFER21 "LEDG" LED_0603 376.199,10.35 r90 top value=GREEN (schematic designator D12)
D12_U_LED_BUFFER22 "LEDG" LED_0603 378.699,83.05 r90 top value=GREEN (schematic designator D12)
D12_U_LED_BUFFER23 "LEDG" LED_0603 378.699,155.749 r90 top value=GREEN (schematic designator D12)
D12_U_LED_BUFFER24 "LEDG" LED_0603 378.699,228.449 r90 top value=GREEN (schematic designator D12)
D12_U_LED_BUFFER31 "LEDG" LED_0603 376.199,17.65 r90 top value=GREEN (schematic designator D12)
D12_U_LED_BUFFER32 "LEDG" LED_0603 378.699,90.35 r90 top value=GREEN (schematic designator D12)
D12_U_LED_BUFFER33 "LEDG" LED_0603 378.699,163.049 r90 top value=GREEN (schematic designator D12)
D12_U_LED_BUFFER34 "LEDG" LED_0603 378.699,235.749 r90 top value=GREEN (schematic designator D12)
D12_U_LED_BUFFER41 "LEDG" LED_0603 376.199,24.95 r90 top value=GREEN (schematic designator D12)
D12_U_LED_BUFFER42 "LEDG" LED_0603 378.699,97.65 r90 top value=GREEN (schematic designator D12)
D12_U_LED_BUFFER43 "LEDG" LED_0603 378.699,170.349 r90 top value=GREEN (schematic designator D12)
D12_U_LED_BUFFER44 "LEDG" LED_0603 378.699,243.049 r90 top value=GREEN (schematic designator D12)
D12_U_LED_BUFFER51 "LEDG" LED_0603 376.199,32.15 r90 top value=GREEN (schematic designator D12)
D12_U_LED_BUFFER52 "LEDG" LED_0603 378.699,104.85 r90 top value=GREEN (schematic designator D12)
D12_U_LED_BUFFER53 "LEDG" LED_0603 378.699,177.549 r90 top value=GREEN (schematic designator D12)
D12_U_LED_BUFFER54 "LEDG" LED_0603 378.699,250.249 r90 top value=GREEN (schematic designator D12)
D12_U_LED_BUFFER61 "LEDG" LED_0603 376.199,39.45 r90 top value=GREEN (schematic designator D12)
D12_U_LED_BUFFER62 "LEDG" LED_0603 378.699,112.15 r90 top value=GREEN (schematic designator D12)
D12_U_LED_BUFFER63 "LEDG" LED_0603 378.699,184.849 r90 top value=GREEN (schematic designator D12)
D12_U_LED_BUFFER64 "LEDG" LED_0603 378.699,257.549 r90 top value=GREEN (schematic designator D12)
D12_U_LED_BUFFER71 "LEDG" LED_0603 376.199,46.75 r90 top value=GREEN (schematic designator D12)
D12_U_LED_BUFFER72 "LEDG" LED_0603 378.699,119.449 r90 top value=GREEN (schematic designator D12)
D12_U_LED_BUFFER73 "LEDG" LED_0603 378.699,192.149 r90 top value=GREEN (schematic designator D12)
D12_U_LED_BUFFER74 "LEDG" LED_0603 378.699,264.849 r90 top value=GREEN (schematic designator D12)
D12_U_LED_BUFFER81 "LEDG" LED_0603 376.199,54.05 r90 top value=GREEN (schematic designator D12)
D12_U_LED_BUFFER82 "LEDG" LED_0603 378.699,126.749 r90 top value=GREEN (schematic designator D12)
D12_U_LED_BUFFER83 "LEDG" LED_0603 378.699,199.449 r90 top value=GREEN (schematic designator D12)
D12_U_LED_BUFFER84 "LEDG" LED_0603 378.699,272.149 r90 top value=GREEN (schematic designator D12)
D12_U_LED_BUFFER91 "LEDG" LED_0603 376.199,61.25 r90 top value=GREEN (schematic designator D12)
D12_U_LED_BUFFER92 "LEDG" LED_0603 378.699,133.949 r90 top value=GREEN (schematic designator D12)
D12_U_LED_BUFFER93 "LEDG" LED_0603 378.699,206.649 r90 top value=GREEN (schematic designator D12)
D12_U_LED_BUFFER94 "LEDG" LED_0603 378.699,279.349 r90 top value=GREEN (schematic designator D12)
D12_U_LED_BUFFER101 "LEDG" LED_0603 382.499,68.55 r90 top value=GREEN (schematic designator D12)
D12_U_LED_BUFFER102 "LEDG" LED_0603 385.099,141.249 r90 top value=GREEN (schematic designator D12)
D12_U_LED_BUFFER103 "LEDG" LED_0603 385.099,213.949 r90 top value=GREEN (schematic designator D12)
D12_U_LED_BUFFER104 "LEDG" LED_0603 385.099,286.649 r90 top value=GREEN (schematic designator D12)
D13_U_LED_BUFFER11 "LEDG" LED_0603 319.299,3.15 r90 top value=GREEN (schematic designator D13)
D13_U_LED_BUFFER12 "LEDG" LED_0603 320.799,75.85 r90 top value=GREEN (schematic designator D13)
D13_U_LED_BUFFER13 "LEDG" LED_0603 320.799,148.549 r90 top value=GREEN (schematic designator D13)
D13_U_LED_BUFFER14 "LEDG" LED_0603 320.799,221.249 r90 top value=GREEN (schematic designator D13)
D13_U_LED_BUFFER21 "LEDG" LED_0603 320.099,10.35 r90 top value=GREEN (schematic designator D13)
D13_U_LED_BUFFER22 "LEDG" LED_0603 321.599,83.05 r90 top value=GREEN (schematic designator D13)
D13_U_LED_BUFFER23 "LEDG" LED_0603 321.599,155.749 r90 top value=GREEN (schematic designator D13)
D13_U_LED_BUFFER24 "LEDG" LED_0603 321.599,228.449 r90 top value=GREEN (schematic designator D13)
D13_U_LED_BUFFER31 "LEDG" LED_0603 320.099,17.65 r90 top value=GREEN (schematic designator D13)
D13_U_LED_BUFFER32 "LEDG" LED_0603 321.599,90.35 r90 top value=GREEN (schematic designator D13)
D13_U_LED_BUFFER33 "LEDG" LED_0603 321.599,163.049 r90 top value=GREEN (schematic designator D13)
D13_U_LED_BUFFER34 "LEDG" LED_0603 321.599,235.749 r90 top value=GREEN (schematic designator D13)
D13_U_LED_BUFFER41 "LEDG" LED_0603 320.099,24.95 r90 top value=GREEN (schematic designator D13)
D13_U_LED_BUFFER42 "LEDG" LED_0603 321.599,97.65 r90 top value=GREEN (schematic designator D13)
D13_U_LED_BUFFER43 "LEDG" LED_0603 321.599,170.349 r90 top value=GREEN (schematic designator D13)
D13_U_LED_BUFFER44 "LEDG" LED_0603 321.599,243.049 r90 top value=GREEN (schematic designator D13)
D13_U_LED_BUFFER51 "LEDG" LED_0603 320.099,32.15 r90 top value=GREEN (schematic designator D13)
D13_U_LED_BUFFER52 "LEDG" LED_0603 321.599,104.85 r90 top value=GREEN (schematic designator D13)
D13_U_LED_BUFFER53 "LEDG" LED_0603 321.599,177.549 r90 top value=GREEN (schematic designator D13)
D13_U_LED_BUFFER54 "LEDG" LED_0603 321.599,250.249 r90 top value=GREEN (schematic designator D13)
D13_U_LED_BUFFER61 "LEDG" LED_0603 320.099,39.45 r90 top value=GREEN (schematic designator D13)
D13_U_LED_BUFFER62 "LEDG" LED_0603 321.599,112.15 r90 top value=GREEN (schematic designator D13)
D13_U_LED_BUFFER63 "LEDG" LED_0603 321.599,184.849 r90 top value=GREEN (schematic designator D13)
D13_U_LED_BUFFER64 "LEDG" LED_0603 321.599,257.549 r90 top value=GREEN (schematic designator D13)
D13_U_LED_BUFFER71 "LEDG" LED_0603 320.099,46.75 r90 top value=GREEN (schematic designator D13)
D13_U_LED_BUFFER72 "LEDG" LED_0603 321.599,119.449 r90 top value=GREEN (schematic designator D13)
D13_U_LED_BUFFER73 "LEDG" LED_0603 321.599,192.149 r90 top value=GREEN (schematic designator D13)
D13_U_LED_BUFFER74 "LEDG" LED_0603 321.599,264.849 r90 top value=GREEN (schematic designator D13)
D13_U_LED_BUFFER81 "LEDG" LED_0603 320.099,54.05 r90 top value=GREEN (schematic designator D13)
D13_U_LED_BUFFER82 "LEDG" LED_0603 321.599,126.749 r90 top value=GREEN (schematic designator D13)
D13_U_LED_BUFFER83 "LEDG" LED_0603 321.599,199.449 r90 top value=GREEN (schematic designator D13)
D13_U_LED_BUFFER84 "LEDG" LED_0603 321.599,272.149 r90 top value=GREEN (schematic designator D13)
D13_U_LED_BUFFER91 "LEDG" LED_0603 320.099,61.25 r90 top value=GREEN (schematic designator D13)
D13_U_LED_BUFFER92 "LEDG" LED_0603 321.599,133.949 r90 top value=GREEN (schematic designator D13)
D13_U_LED_BUFFER93 "LEDG" LED_0603 321.599,206.649 r90 top value=GREEN (schematic designator D13)
D13_U_LED_BUFFER94 "LEDG" LED_0603 321.599,279.349 r90 top value=GREEN (schematic designator D13)
D13_U_LED_BUFFER101 "LEDG" LED_0603 323.899,68.55 r90 top value=GREEN (schematic designator D13)
D13_U_LED_BUFFER102 "LEDG" LED_0603 325.399,141.249 r90 top value=GREEN (schematic designator D13)
D13_U_LED_BUFFER103 "LEDG" LED_0603 325.399,213.949 r90 top value=GREEN (schematic designator D13)
D13_U_LED_BUFFER104 "LEDG" LED_0603 325.399,286.649 r90 top value=GREEN (schematic designator D13)
D14_U_LED_BUFFER11 "LEDG" LED_0603 263.699,3.15 r90 top value=GREEN (schematic designator D14)
D14_U_LED_BUFFER12 "LEDG" LED_0603 264.199,75.85 r90 top value=GREEN (schematic designator D14)
D14_U_LED_BUFFER13 "LEDG" LED_0603 264.199,148.549 r90 top value=GREEN (schematic designator D14)
D14_U_LED_BUFFER14 "LEDG" LED_0603 264.199,221.249 r90 top value=GREEN (schematic designator D14)
D14_U_LED_BUFFER21 "LEDG" LED_0603 263.999,10.35 r90 top value=GREEN (schematic designator D14)
D14_U_LED_BUFFER22 "LEDG" LED_0603 264.499,83.05 r90 top value=GREEN (schematic designator D14)
D14_U_LED_BUFFER23 "LEDG" LED_0603 264.499,155.749 r90 top value=GREEN (schematic designator D14)
D14_U_LED_BUFFER24 "LEDG" LED_0603 264.499,228.449 r90 top value=GREEN (schematic designator D14)
D14_U_LED_BUFFER31 "LEDG" LED_0603 263.999,17.65 r90 top value=GREEN (schematic designator D14)
D14_U_LED_BUFFER32 "LEDG" LED_0603 264.499,90.35 r90 top value=GREEN (schematic designator D14)
D14_U_LED_BUFFER33 "LEDG" LED_0603 264.499,163.049 r90 top value=GREEN (schematic designator D14)
D14_U_LED_BUFFER34 "LEDG" LED_0603 264.499,235.749 r90 top value=GREEN (schematic designator D14)
D14_U_LED_BUFFER41 "LEDG" LED_0603 263.999,24.95 r90 top value=GREEN (schematic designator D14)
D14_U_LED_BUFFER42 "LEDG" LED_0603 264.499,97.65 r90 top value=GREEN (schematic designator D14)
D14_U_LED_BUFFER43 "LEDG" LED_0603 264.499,170.349 r90 top value=GREEN (schematic designator D14)
D14_U_LED_BUFFER44 "LEDG" LED_0603 264.499,243.049 r90 top value=GREEN (schematic designator D14)
D14_U_LED_BUFFER51 "LEDG" LED_0603 263.999,32.15 r90 top value=GREEN (schematic designator D14)
D14_U_LED_BUFFER52 "LEDG" LED_0603 264.499,104.85 r90 top value=GREEN (schematic designator D14)
D14_U_LED_BUFFER53 "LEDG" LED_0603 264.499,177.549 r90 top value=GREEN (schematic designator D14)
D14_U_LED_BUFFER54 "LEDG" LED_0603 264.499,250.249 r90 top value=GREEN (schematic designator D14)
D14_U_LED_BUFFER61 "LEDG" LED_0603 263.999,39.45 r90 top value=GREEN (schematic designator D14)
D14_U_LED_BUFFER62 "LEDG" LED_0603 264.499,112.15 r90 top value=GREEN (schematic designator D14)
D14_U_LED_BUFFER63 "LEDG" LED_0603 264.499,184.849 r90 top value=GREEN (schematic designator D14)
D14_U_LED_BUFFER64 "LEDG" LED_0603 264.499,257.549 r90 top value=GREEN (schematic designator D14)
D14_U_LED_BUFFER71 "LEDG" LED_0603 263.999,46.75 r90 top value=GREEN (schematic designator D14)
D14_U_LED_BUFFER72 "LEDG" LED_0603 264.499,119.449 r90 top value=GREEN (schematic designator D14)
D14_U_LED_BUFFER73 "LEDG" LED_0603 264.499,192.149 r90 top value=GREEN (schematic designator D14)
D14_U_LED_BUFFER74 "LEDG" LED_0603 264.499,264.849 r90 top value=GREEN (schematic designator D14)
D14_U_LED_BUFFER81 "LEDG" LED_0603 263.999,54.05 r90 top value=GREEN (schematic designator D14)
D14_U_LED_BUFFER82 "LEDG" LED_0603 264.499,126.749 r90 top value=GREEN (schematic designator D14)
D14_U_LED_BUFFER83 "LEDG" LED_0603 264.499,199.449 r90 top value=GREEN (schematic designator D14)
D14_U_LED_BUFFER84 "LEDG" LED_0603 264.499,272.149 r90 top value=GREEN (schematic designator D14)
D14_U_LED_BUFFER91 "LEDG" LED_0603 263.999,61.25 r90 top value=GREEN (schematic designator D14)
D14_U_LED_BUFFER92 "LEDG" LED_0603 264.499,133.949 r90 top value=GREEN (schematic designator D14)
D14_U_LED_BUFFER93 "LEDG" LED_0603 264.499,206.649 r90 top value=GREEN (schematic designator D14)
D14_U_LED_BUFFER94 "LEDG" LED_0603 264.499,279.349 r90 top value=GREEN (schematic designator D14)
D14_U_LED_BUFFER101 "LEDG" LED_0603 265.199,68.55 r90 top value=GREEN (schematic designator D14)
D14_U_LED_BUFFER102 "LEDG" LED_0603 265.699,141.249 r90 top value=GREEN (schematic designator D14)
D14_U_LED_BUFFER103 "LEDG" LED_0603 265.699,213.949 r90 top value=GREEN (schematic designator D14)
D14_U_LED_BUFFER104 "LEDG" LED_0603 265.699,286.649 r90 top value=GREEN (schematic designator D14)
J1 "RJHSE-5381" RJHSE5381 5.683,77.453 r270 top locked
J2 "PJ-002BH" PJ002BH 10.693,49.537 r180 top
L4 "2.2uH" IHLP1616BZER2R2M5A 248.099,3.95 r0 top
P1_IO1 "10M04SC E144" 10M04SCE144C8G 51.682,89.019 r0 top (schematic designator P1)
P1_IO2 "10M04SC E144" 10M04SCE144C8G 102.51,88.953 r0 top (schematic designator P1)
P1_IO3 "10M04SC E144" 10M04SCE144C8G 153.231,89.041 r0 top (schematic designator P1)
P1_IO4 "10M04SC E144" 10M04SCE144C8G 204.107,89.045 r0 top locked (schematic designator P1)
P3 "JTAG" HDR2X5 23.339,40.138 r90 top
R1_IO1 "10K" 0603R 43.369,91.274 r0 bottom (schematic designator R1)
R1_IO2 "10K" 0603R 94.197,91.208 r0 bottom (schematic designator R1)
R1_IO3 "10K" 0603R 144.919,91.295 r0 bottom (schematic designator R1)
R1_IO4 "10K" 0603R 195.795,91.299 r0 bottom (schematic designator R1)
R2_IO1 "10K" 0603R 44.817,104.151 r90 top (schematic designator R2)
R2_IO2 "10K" 0603R 95.645,104.085 r90 top (schematic designator R2)
R2_IO3 "10K" 0603R 146.366,104.173 r90 top (schematic designator R2)
R2_IO4 "10K" 0603R 197.243,104.177 r90 top (schematic designator R2)
R3_IO1 "10K" 0603R 46.341,104.151 r90 top (schematic designator R3)
R3_IO2 "10K" 0603R 97.169,104.085 r90 top (schematic designator R3)
R3_IO3 "10K" 0603R 147.89,104.173 r90 top (schematic designator R3)
R3_IO4 "10K" 0603R 198.767,104.177 r90 top (schematic designator R3)
R4_IO1 "10K" 0603R 48.399,104.151 r90 top (schematic designator R4)
R4_IO2 "10K" 0603R 99.227,104.085 r90 top (schematic designator R4)
R4_IO3 "10K" 0603R 149.948,104.173 r90 top (schematic designator R4)
R4_IO4 "10K" 0603R 200.824,104.177 r90 top (schematic designator R4)
R5_IO1 "10K" 0603R 50.862,104.151 r90 top (schematic designator R5)
R5_IO2 "10K" 0603R 101.69,104.085 r90 top (schematic designator R5)
R5_IO3 "10K" 0603R 152.412,104.173 r90 top (schematic designator R5)
R5_IO4 "10K" 0603R 203.288,104.177 r90 top (schematic designator R5)
R6_IO1 "10K" 0603R 54.799,104.151 r90 top (schematic designator R6)
R6_IO2 "10K" 0603R 105.627,104.085 r90 top (schematic designator R6)
R6_IO3 "10K" 0603R 156.349,104.173 r90 top (schematic designator R6)
R6_IO4 "10K" 0603R 207.225,104.177 r90 top (schematic designator R6)
R7_IO1 "10K" 0603R 56.171,104.151 r90 top (schematic designator R7)
R7_IO2 "10K" 0603R 106.999,104.085 r90 top (schematic designator R7)
R7_IO3 "10K" 0603R 157.72,104.173 r90 top (schematic designator R7)
R7_IO4 "10K" 0603R 208.596,104.177 r90 top (schematic designator R7)
R8_IO1 "220R" 0603R 37.705,82.892 r180 bottom (schematic designator R8)
R8_IO2 "220R" 0603R 88.533,82.826 r180 bottom (schematic designator R8)
R8_IO3 "220R" 0603R 139.254,82.913 r180 bottom (schematic designator R8)
R8_IO4 "220R" 0603R 190.131,82.917 r180 bottom (schematic designator R8)
R9_U_LED_BUFFER11 "330R" 0603R 621.798,3.15 r90 top (schematic designator R9)
R9_U_LED_BUFFER12 "330R" 0603R 628.898,75.85 r90 top (schematic designator R9)
R9_U_LED_BUFFER13 "330R" 0603R 628.898,148.549 r90 top (schematic designator R9)
R9_U_LED_BUFFER14 "330R" 0603R 628.898,221.249 r90 top (schematic designator R9)
R9_U_LED_BUFFER21 "330R" 0603R 625.398,10.45 r90 top (schematic designator R9)
R9_U_LED_BUFFER22 "330R" 0603R 632.498,83.15 r90 top (schematic designator R9)
R9_U_LED_BUFFER23 "330R" 0603R 632.498,155.849 r90 top (schematic designator R9)
R9_U_LED_BUFFER24 "330R" 0603R 632.498,228.549 r90 top (schematic designator R9)
R9_U_LED_BUFFER31 "330R" 0603R 625.398,17.75 r90 top (schematic designator R9)
R9_U_LED_BUFFER32 "330R" 0603R 632.498,90.45 r90 top (schematic designator R9)
R9_U_LED_BUFFER33 "330R" 0603R 632.498,163.149 r90 top (schematic designator R9)
R9_U_LED_BUFFER34 "330R" 0603R 632.498,235.849 r90 top (schematic designator R9)
R9_U_LED_BUFFER41 "330R" 0603R 625.398,25.05 r90 top (schematic designator R9)
R9_U_LED_BUFFER42 "330R" 0603R 632.498,97.75 r90 top (schematic designator R9)
R9_U_LED_BUFFER43 "330R" 0603R 632.498,170.449 r90 top (schematic designator R9)
R9_U_LED_BUFFER44 "330R" 0603R 632.498,243.149 r90 top (schematic designator R9)
R9_U_LED_BUFFER51 "330R" 0603R 625.398,32.25 r90 top (schematic designator R9)
R9_U_LED_BUFFER52 "330R" 0603R 632.498,104.95 r90 top (schematic designator R9)
R9_U_LED_BUFFER53 "330R" 0603R 632.498,177.649 r90 top (schematic designator R9)
R9_U_LED_BUFFER54 "330R" 0603R 632.498,250.349 r90 top (schematic designator R9)
R9_U_LED_BUFFER61 "330R" 0603R 625.398,39.55 r90 top (schematic designator R9)
R9_U_LED_BUFFER62 "330R" 0603R 632.498,112.25 r90 top (schematic designator R9)
R9_U_LED_BUFFER63 "330R" 0603R 632.498,184.949 r90 top (schematic designator R9)
R9_U_LED_BUFFER64 "330R" 0603R 632.498,257.649 r90 top (schematic designator R9)
R9_U_LED_BUFFER71 "330R" 0603R 625.398,46.85 r90 top (schematic designator R9)
R9_U_LED_BUFFER72 "330R" 0603R 632.498,119.549 r90 top (schematic designator R9)
R9_U_LED_BUFFER73 "330R" 0603R 632.498,192.249 r90 top (schematic designator R9)
R9_U_LED_BUFFER74 "330R" 0603R 632.498,264.949 r90 top (schematic designator R9)
R9_U_LED_BUFFER81 "330R" 0603R 625.398,54.05 r90 top (schematic designator R9)
R9_U_LED_BUFFER82 "330R" 0603R 632.498,126.749 r90 top (schematic designator R9)
R9_U_LED_BUFFER83 "330R" 0603R 632.498,199.449 r90 top (schematic designator R9)
R9_U_LED_BUFFER84 "330R" 0603R 632.498,272.149 r90 top (schematic designator R9)